# KiCad board ebit_ad.kicad_pcb (continued)
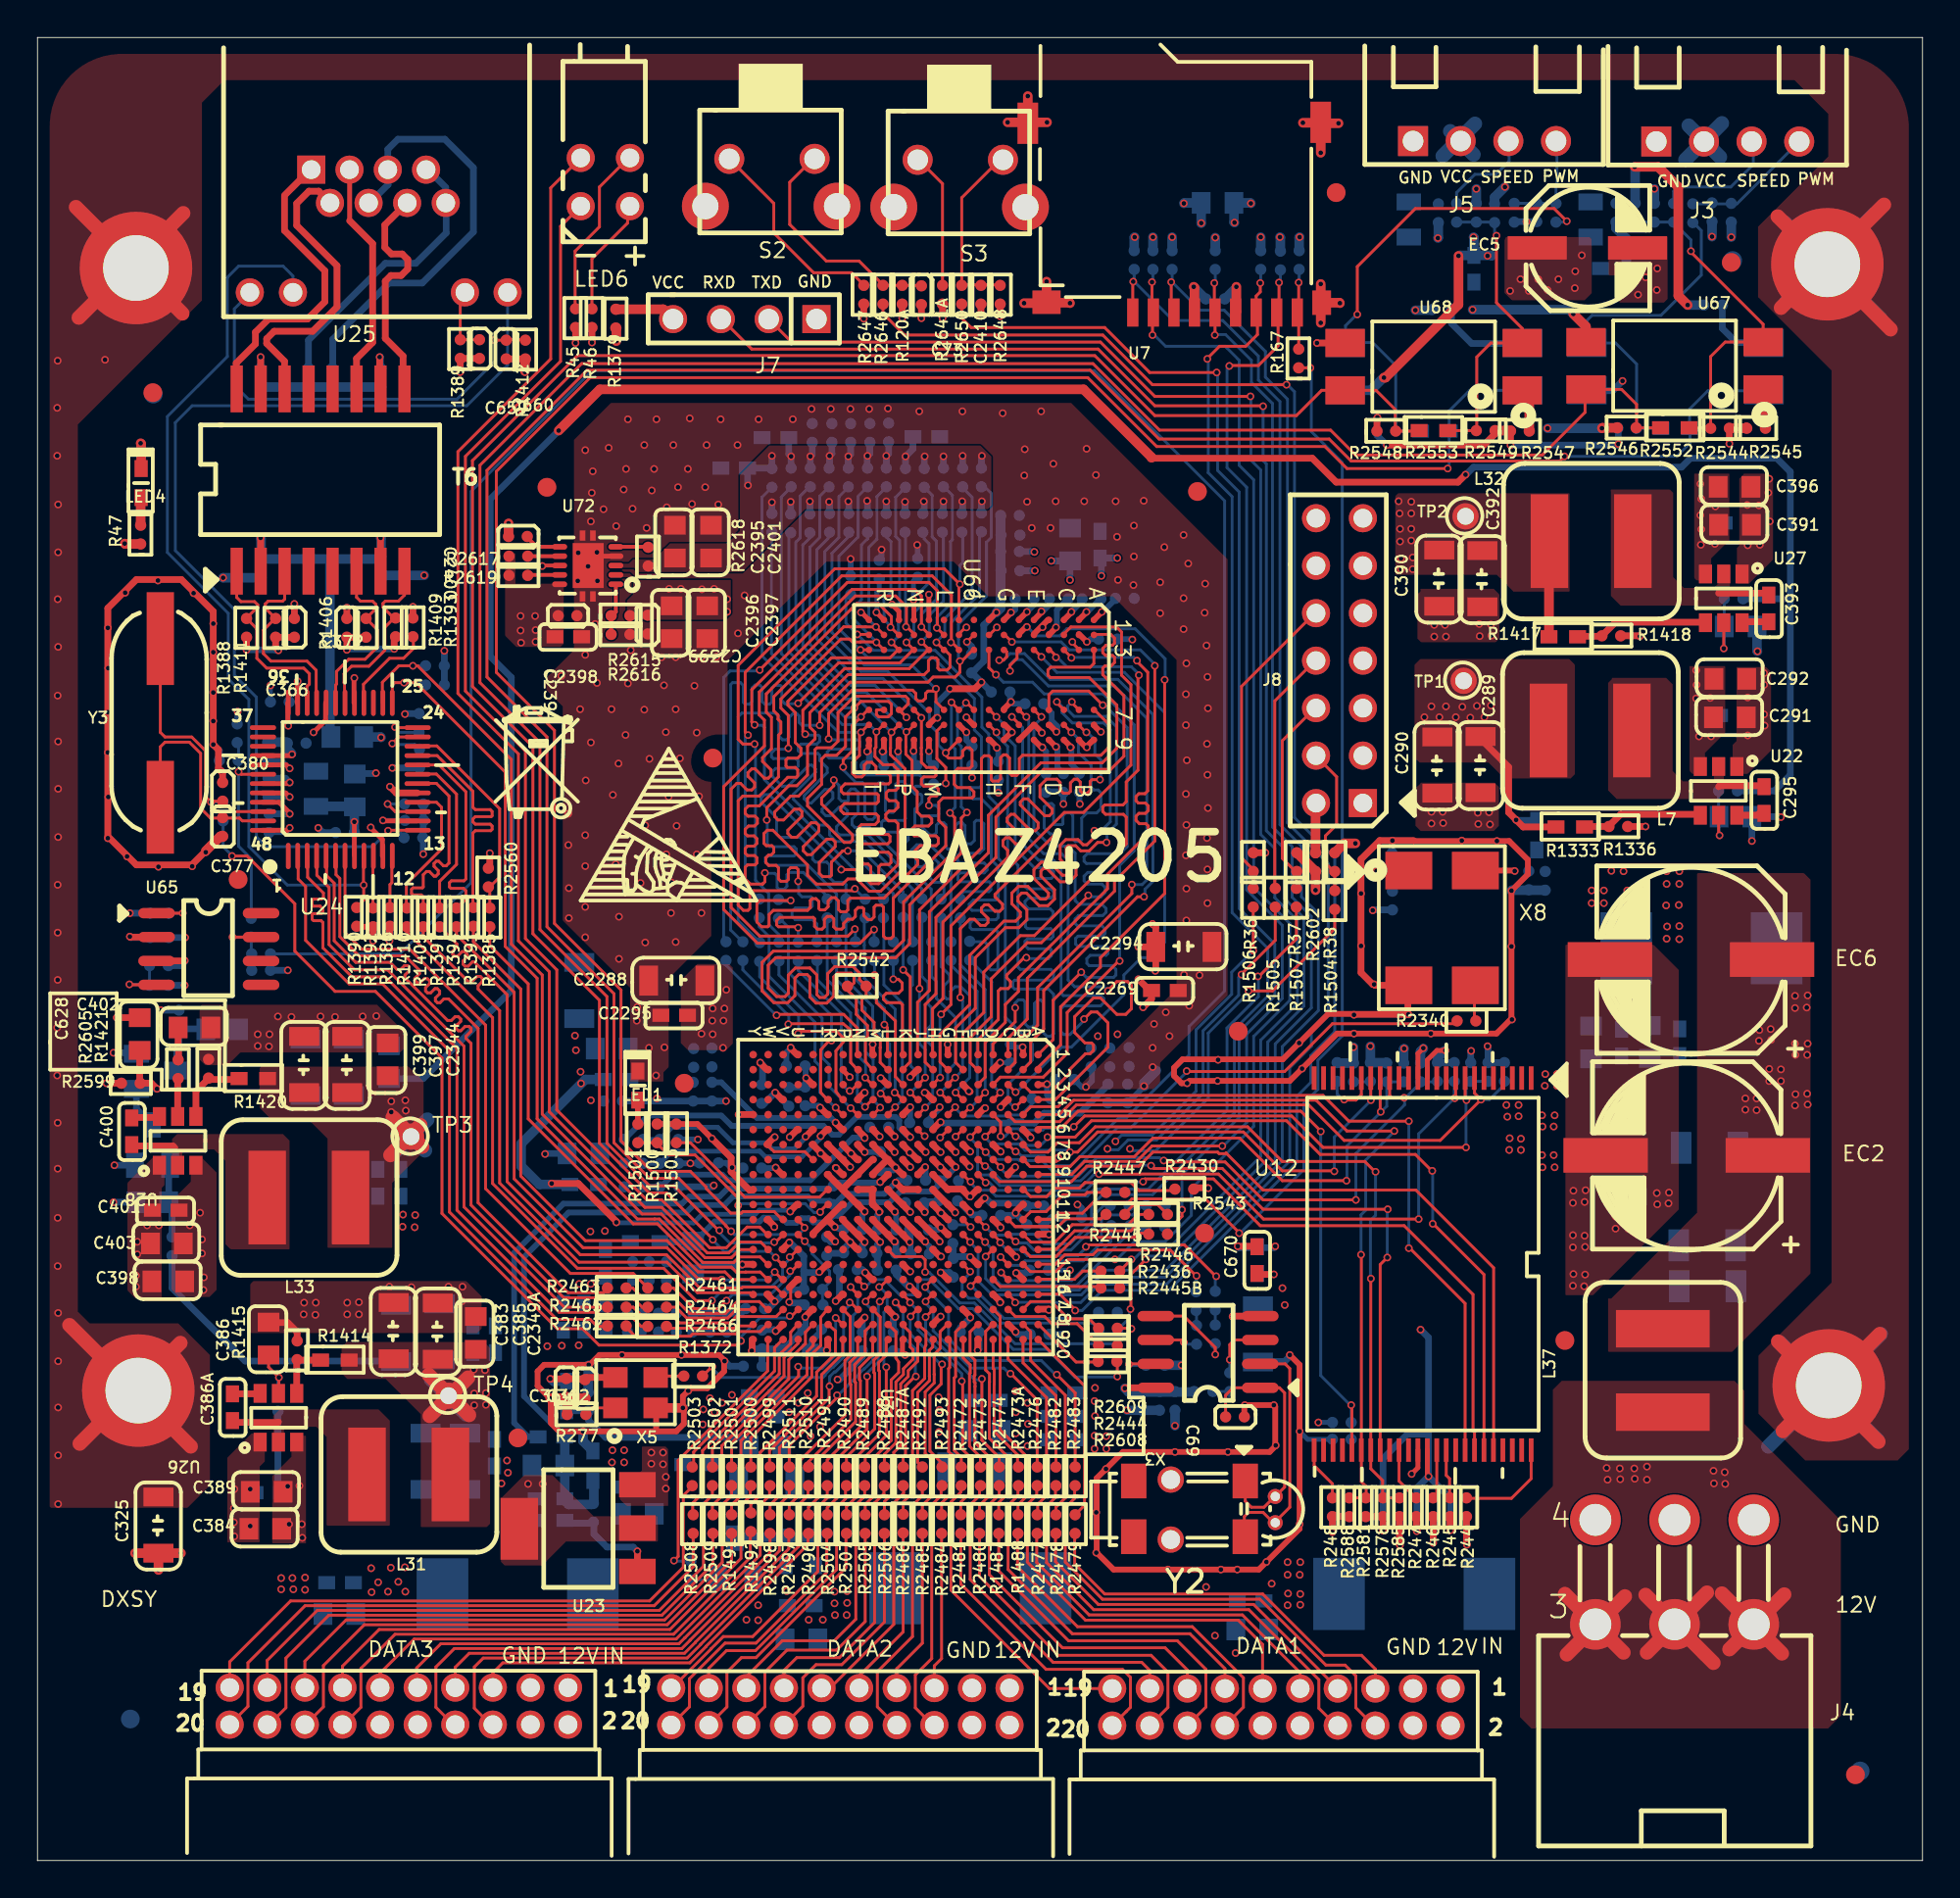
[diagram p0: board, top side]
## Routing (per net, layer and track width the routed paths; a pad name or vN(x,y) marks a point on that pad's centre or on a via; arc(x,y) is an arc through that point) (continued)
  Bottom Layer w0.152: R2641.1 49.35,73.25 49.85,72.75 49.85,67.73 48.4,66.28 48.4,65.48 47.98,65.05 ; R2534.2 42.63,51.58 41.1,53.1 39.03,53.1 38.83,53.3 38.83,53.5 38.93,53.6 40.35,53.6 40.48,53.73 40.48,53.98 40.35,54.1 39.05,54.1 38.93,54.23 38.93,55.45
IN: length 6
  Top Layer w0.356: v1(3.68,41.48) R2599.1
  Bottom Layer w0.356: 12.93,19.8 12.83,19.9 R1413.1 ; v1(6.58,45.38) R2800.1
  vias: v1(8.12,33.89) v1(8.67,34.57) v1(8.77,33.14) v1(8.77,32.39) v1(8.85,30.44) v1(8.87,31.12) v1(13.35,19.97) v1(13.42,17.95) v1(13.97,20) v1(14.1,17.95) v1(14.12,17.22) v1(17.8,15.6) v1(17.82,14.32) v1(18.17,14.85) v1(18.7,14.35) v1(18.85,15.62) v1(19.25,14.87) v1(19.6,15.65) v1(19.62,14.35) v1(41.14,12.85) v1(41.89,12.85) v1(42.52,14.35) v1(42.52,13.72) v1(42.54,13.1) v1(43.19,14.37) v1(43.19,13.75) v1(43.17,13.1) v1(65.83,14.77) v1(66.68,15.92) v1(66.68,15.25) v1(66.71,14.25) v1(66.68,13.62) v1(67.33,15.25) v1(67.36,15.92) v1(67.36,14.22) v1(67.36,13.65) v1(82.91,51.76) v1(82.91,51.09) v1(83.56,51.76) v1(83.56,51.09) v1(83.96,52.81) v1(84.61,52.79) v1(84.8,51.76) v1(84.83,51.11) v1(85.5,51.14) v1(85.55,51.76) v1(86.9,52.79) v1(86.9,52.11) v1(86.88,50.96) v1(86.93,49.84) v1(86.9,49.19) v1(87.58,52.79) v1(87.58,52.11) v1(87.55,50.99) v1(87.58,49.86) v1(87.58,49.16) v1(88.48,63.51) v1(88.5,62.74) v1(88.48,62.01) v1(88.63,59.99) v1(88.7,73.46) v1(88.75,72.66) v1(88.7,71.78) v1(88.75,71.03) v1(88.73,70.21) v1(89.23,62.04) v1(89.28,59.99) v1(89.5,72.26) v1(89.48,70.26)
LED3_0: length 57
  Top Layer w0.152: 20.25,54.98 18.73,54.98 v1(18.7,54.95)
  Bottom Layer w0.152: 19.65,54.55 19.25,54.95 v1(18.7,54.95) ; 18.65,54.88 17.88,54.1 12.2,54.1 11.68,54.63 11.68,62.08 10.5,63.25 10.5,66.75 7.35,69.9 7.35,76.73 8.25,77.63 22.9,77.63 25.08,79.8 U25.9
LED.0_0: length 48.3
  Top Layer w0.152: 17.39,53.6 17.39,52.07 v1(17.4,52.05) 17.4,51.25 17,50.85
  Bottom Layer w0.152: 17.43,52.05 13.33,52.05 11.28,54.1 11.28,61.95 10.18,63.05 10.18,66.55 6.93,69.8 6.93,77.05 10.13,80.25 10.13,84.48 10.73,85.08 13.1,85.08 13.63,84.55 U25.11
MDC_0: length 45.1
  Top Layer w0.152: 38.88,31.88 38.55,32.21 37.43,32.21 37.14,31.92 35.49,31.92 33.17,34.23 32.92,34.23 32.92,34.23 32,34.23 26.65,39.58 26.65,47.08 24.95,48.78 24.95,58.08 20.18,62.85 v1(19.55,62.85) 19.05,62.85 18.93,62.73 U24.25
  Bottom Layer w0.152: 19.5,62.83 20.6,62.83 R2470.2
NetC69_1: length 13
  Top Layer w0.152: 65.48,25.23 66.25,25.23 66.53,24.95 66.53,19.93 Y2.8 ; 63.38,23.73 63.38,24.83 63.78,25.23 X3.1 ; Y2.1 64.43,19.18 64.75,18.85 65.43,18.85 65.93,19.35 66,19.35
NetC327_1: length 1.2
  Top Layer w0.356: v1(47.35,37) 46.96,36.61 46.95,36.61
  Bottom Layer w0.305: C327.1 47.38,36.88 47.33,36.93
NetC2300_2: length 15.2
  Top Layer w0.305: 47.55,60.58 47.55,60.63 47.93,61 ; 50.75,66.2 v1(51.15,66.6)
  Top Layer w0.356: v1(50.35,62.88) 50,62.53 v1(48.68,62.53)
  Bottom Layer w0.305: 48.7,62.5 47.98,61.78 47.98,61 v1(48,60.98)
  Bottom Layer w0.356: C2300.2 49.85,63.38 50.48,64 50.48,65.93 v1(51.15,66.6)
  Bottom Layer w0.508: 51.4,71.7 51.38,71.68 51.38,66.83 v1(51.15,66.6)
NetDATA1_6: length 25.4
  Top Layer w0.152: 55.33,19.93 55.33,19.33 54.83,18.83 54.83,15.93 56.81,13.94 65.21,13.94 68.73,10.43 69.75,10.43 70.33,9.85 70.33,8.15 71.28,7.2 DATA1.6
NetDATA1_8: length 24.2
  Top Layer w0.152: 54.3,19.9 54.3,19.38 53.83,18.9 53.83,15.9 56.34,13.39 64.62,13.39 68.35,9.65 68.35,8.13 69.28,7.2 DATA1.8
NetDATA1_14: length 19.2
  Top Layer w0.152: 52.28,17.4 52.28,15.68 55.48,12.48 61.6,12.48 64.33,9.75 64.33,8.19 DATA1.14
NetDATA1_16: length 18.6
  Top Layer w0.152: R1487.1 51.28,15.45 55,11.73 60.8,11.73 62.33,10.2 62.33,8.19 DATA1.16
NetDATA1_18: length 17.6
  Top Layer w0.152: DATA1.18 60.3,8.17 60.3,10.05 59.4,10.95 54.45,10.95 50.25,15.15 50.25,17.38
NetDATA1_20: length 16.7
  Top Layer w0.152: 49.25,17.33 49.25,14.75 53.8,10.2 57.88,10.2 58.3,9.78 58.3,8.18 58.08,7.95 DATA1.20
NetDATA2_6: length 13.7
  Top Layer w0.152: 48.2,19.9 48.2,19.48 47.7,18.98 47.7,10.78 46.83,9.9 46.83,8.15 47.75,7.23 DATA2.6
NetDATA2_8: length 14.1
  Top Layer w0.152: DATA2.8 45.78,7.23 44.8,8.2 44.8,10.08 46.68,11.95 46.68,18.95 47.2,19.48 47.2,19.85
NetDATA2_14: length 13.2
  Top Layer w0.152: 45.23,17.43 45.18,17.38 45.18,12.73 42.9,10.45 41.53,10.45 40.83,9.75 40.83,8.24 DATA2.14
NetDATA2_16: length 14.4
  Top Layer w0.152: DATA2.16 38.8,8.22 38.8,10.05 39.98,11.23 42.63,11.23 44.15,12.75 44.15,17.4 44.13,17.43
NetDATA2_18: length 13.6
  Top Layer w0.152: 43.13,17.35 43.13,15.63 38.33,10.83 37.55,10.83 36.78,10.05 36.78,8.2 DATA2.18
NetDATA2_20: length 14.6
  Top Layer w0.152: 42.1,17.4 42.1,15.38 38.33,11.6 36.68,11.6 34.78,9.7 34.78,8.2 DATA2.20
NetDATA3_6: length 27
  Top Layer w0.152: DATA3.6 24.18,7.25 23.3,8.13 23.3,10.33 23.78,10.8 34.65,10.8 35.37,11.52 35.37,11.53 40.6,16.76 40.6,18.98 41.1,19.48 41.1,20
NetDATA3_8: length 28.2
  Top Layer w0.152: DATA3.8 22.18,7.25 21.25,8.18 21.25,10.33 22.24,11.31 34.37,11.31 34.82,11.75 34.82,11.77 39.58,16.53 39.58,19 40.1,19.53 R2511.1
NetDATA3_14: length 28
  Top Layer w0.152: 38.03,17.48 38.03,16.17 33.93,12.07 19.07,12.07 17.25,10.25 17.25,8.18 16.33,7.25 DATA3.14
NetDATA3_16: length 29
  Top Layer w0.152: 37.03,17.38 37.03,16.02 33.59,12.58 17.43,12.58 15.25,10.4 15.25,8.2 14.3,7.25 DATA3.16
NetDATA3_18: length 30.4
  Top Layer w0.152: 36.03,17.38 36.03,15.81 33.31,13.09 15.54,13.09 13.25,10.8 13.25,8.15 12.35,7.25 DATA3.18
NetDATA3_20: length 31.2
  Top Layer w0.152: 10.38,7.38 11.23,8.23 11.23,10.55 14.27,13.6 32.9,13.6 34.98,15.68 R2508.1
NetJ3_2: length 5.1
  Bottom Layer w0.762: 87.9,90.75 89.85,92.7 ; 88.08,92.58 89.75,90.9
NetJ3_3: length 6.4
  Bottom Layer w0.152: 91.53,91.45 91.53,90.5 90.33,89.3 87.5,89.3 87.28,89.08 R1345.2
NetJ3_4: length 6.9
  Bottom Layer w0.152: 93.93,91.55 93.8,91.55 90.65,88.4 R1346.2
NetJ5_2: length 4.2
  Bottom Layer w0.762: 75.36,92.28 76.61,91.03 ; 74.96,90.95 76.68,92.68
NetJ5_3: length 4.8
  Bottom Layer w0.152: R1362.2 75.7,89 76.68,89.98 77.8,89.98 78.5,90.68 78.5,91.4
NetJ5_4: length 5.2
  Bottom Layer w0.152: 81.1,91.5 81.05,91.45 81.05,89.45 81,89.4 R1363.2 ; 80.88,88.45 80.85,88.43 C333.2
NetJ7_4: length 3.2
  Top Layer w0.508: J7.4 33.38,82.78 30.95,82.78 30.93,82.75
NetL37_1: length 27.1
  Top Layer w0.762: 85.85,11.1 89.05,14.3 ; 90.25,11.27 93.18,14.2 ; 81.58,11 84.68,14.1 ; 81.48,14.22 84.61,11.1 ; 89.85,14.25 93.05,11.05 ; 85.78,14.17 89.4,10.55
  vias: v1(83.71,20.95) v1(83.76,20.32) v1(84.41,20.92) v1(84.43,20.35) v1(85.18,20.92) v1(85.2,20.37) v1(85.85,21.02) v1(85.85,20.32) v1(89.4,20.8) v1(89.43,20.12) v1(90,20.72) v1(90.03,20.1)
NetLED1_1: length 1.3
  Top Layer w0.305: 32,39.3 32.03,39.33 LED1.1
NetLED4_1: length 1.4
  Top Layer w0.508: R47.2 5.5,72.65
NetLED6_1: length 6.1
  Top Layer w0.152: 31.48,88.08 31.48,87.38 29.58,85.48 R46.2
NetLED6_2: length 9.4
  Top Layer w0.152: LED6.2 31.53,90.85 29.98,89.3 29.98,87.18 28.68,85.88 28.68,82.75 28.7,82.73
NetR37_2: length 10.4
  Top Layer w0.152: 68.05,61.23 67.88,61.23 66.4,59.75 66.4,53.48 67.15,52.73 R37.2
NetR117_1: length 0.8
  Bottom Layer w0.152: 63.5,24.98 63.45,25.03 R2440.1
NetR117_2: length 3.3
  Top Layer w0.152: X3.3 63.85,27.78 63.6,27.53 v1(63.6,26.73)
  Bottom Layer w0.152: R117.2 63.6,26.75
NetR120_2: length 0.8
  Bottom Layer w0.152: 61.78,29.38 61.83,29.33 R120.2
NetR122_2: length 0.8
  Bottom Layer w0.152: R122.2 R2439.1
NetR1345_1: length 17.8
  Top Layer w0.152: 91.53,81.03 90.03,81.03 89.25,80.25 R2544.1 ; v1(88.2,85.88) 88.2,85.83 92.05,81.98 U67.2 ; R2552.2 89.15,76.45
  Bottom Layer w0.152: 88.2,85.95 88.2,86.48 87.25,87.43 R1344.1
NetR1346_1: length 18.7
  Bottom Layer w0.152: 86.48,76.4 86.45,76.43 R2350.2 85.3,79.85 84.18,80.98 82.88,80.98 ; U69.4 82.65,82.18 82.93,82.45 86.6,82.45 88.75,84.6 88.75,86.98 88.35,87.38
NetR1360_1: length 3.1
  Top Layer w0.152: U12.19 70.62,40.87 70.33,40.58 69.73,40.58 v1(69.7,40.6)
  Bottom Layer w0.152: R1360.1 69.33,40.9 69.65,40.58
NetR1362_1: length 17.2
  Top Layer w0.152: 76.78,76.33 76.78,80.23 77.53,80.98 U68.2 79.2,81.75 77.83,83.13 v1(77.83,86.7) ; R2553.2 R2549.1
  Bottom Layer w0.152: R1362.1 77.68,87.43 77.7,87.45 ; 77.78,86.7 77.73,86.75 R1365.1
NetR1363_1: length 25.3
  Top Layer w0.152: v1(81.58,87.48) 80.9,88.15 73.5,88.15 70.4,85.05 v1(70.4,82.5)
  Bottom Layer w0.152: 69.98,81 71.23,81 72.45,79.78 R2556.2 ; R1363.1 81.5,87.43 81.53,87.45 ; 72.5,76.3 72.53,76.28 R2557.2 ; 70.38,82.45 70.33,82.45 69.78,81.9 U70.4
NetR1372_1: length 1.2
  Top Layer w0.152: 33.28,25.85 R1372.1
NetR1372_2: length 12
  Top Layer w0.152: R1372.2 35.98,26.35 v1(36,26.35) ; 43.38,29.78 43.73,29.42
  Bottom Layer w0.152: v1(36,26.35) 36,26.25 36.48,25.78 41.9,25.78 42.02,25.89 42.02,25.94 42.4,26.33 42.45,26.33 43,26.88 43,29.33 43.35,29.68
  vias: v1(43.33,29.78)
NetR1373_2: length 3.7
  Bottom Layer w0.356: 7,35.18 7.18,35 R1373.2 ; 7.1,36.78 7,36.68 C625.1
NetR1384_2: length 2.3
  Top Layer w0.356: v1(18.25,80.23) 18.25,78.57 T6.10
  Bottom Layer w0.356: R1384.2 18.3,80.23
NetR1385_2: length 10.9
  Top Layer w0.152: 24.18,50.88 24.13,50.93 24.13,51.95 24.65,52.48 24.65,56.13 21.3,59.48 20.6,59.48
NetR1388_1: length 4
  Top Layer w0.356: C366.1 12.78,65.28 12.75,65.3 ; R1411.1 12.7,64.73 v1(12.85,64.58) ; v1(11.15,64.6) R1388.1
  Bottom Layer w0.356: 12.75,64.58 12.73,64.6 v1(11.15,64.6)
NetR1393_1: length 5
  Top Layer w0.152: 17.39,61.78 17.39,62.76 18.78,64.15 19.53,64.15 20.05,64.68 20.05,65.28
NetR1400_2: length 2.2
  Top Layer w0.356: T6.15 11.91,80.2
  Bottom Layer w0.356: R1400.2 11.9,80.2
  vias: v1(11.9,80.23)
NetR1404_1: length 6.4
  Bottom Layer w0.508: R1400.1 18.28,78.63
NetR1406_1: length 4.9
  Top Layer w0.356: v1(19.03,64.65) 19.03,65.3 ; 16.45,65.33 C372.1 ; C372.1 v1(16.5,64.6) ; C372.1 R1406.1
  Bottom Layer w0.356: 16.53,64.63 16.55,64.65 v1(19.03,64.65)
NetR1413_2: length 2.8
  Top Layer w0.152: C386.1 12.33,26.33 v1(12.88,25.78) 12.88,25.2 12.9,25.18
  Bottom Layer w0.152: 12.88,25.75 12.83,25.7 R1413.2
NetR1493_1: length 2.1
  Top Layer w0.356: v1(49.75,34.6) 49.75,34.62 49.36,35.02
  Bottom Layer w0.356: 50.3,34.45 49.85,34.45 49.1,35.2 R1493.1
NetR1500_1: length 12
  Top Layer w0.152: R1501.1 33,38.3 33.65,37.65 35.08,37.65 37.38,35.35 37.38,35 ; 41.78,34.63 41.78,34.67 42.12,35.02
  Bottom Layer w0.152: v1(37.38,34.95) 37.48,35.05 40.95,35.05 41.43,34.58 41.73,34.58
  vias: v1(41.75,34.6)
NetR1502_1: length 1.2
  Top Layer w0.356: v1(45.73,38.63) 45.72,38.63 45.34,39.01
  Bottom Layer w0.305: R1502.1 45.4,38.95 45.75,38.6
NetR1503_1: length 9.3
  Top Layer w0.152: 42.08,35.75 41.73,35.4 37.73,35.4 34.83,38.3 R1503.1
NetR1504_2: length 7.8
  Top Layer w0.152: 68.43,58.7 69.3,57.83 69.3,55.28 68.7,54.68 68.7,53.23 69.2,52.73 R1504.2
NetR1505_2: length 13
  Top Layer w0.152: 68.15,64 68.13,64 66,61.88 66,51.95 66.03,51.93
NetR1506_2: length 16.2
  Top Layer w0.152: R1506.2 64.85,52.88 64.23,53.5 64.23,62.65 67.8,66.23 67.93,66.23
NetR1949_2: length 3.5
  Top Layer w0.152: v1(4.9,46.75) 4.93,46.73 U65.4
  Bottom Layer w0.152: R1948.2 5.98,47.68 ; 5.98,46.73 5.95,46.75 v1(4.9,46.75)
NetR2336_1: length 2.1
  Top Layer w0.152: U65.1 v1(7.75,50.55)
  Bottom Layer w0.152: R2336.1 7.65,50.55 7.68,50.58
NetR2340_2: length 1.9
  Top Layer w0.152: X8.3 76.65,46.65 76.65,44.85 76.68,44.83
NetR2389_1: length 3.4
  Top Layer w0.356: v1(71.43,52.8) 71.45,52.83 X8.1
  Bottom Layer w0.356: 72.2,52.75 71.48,52.75 v1(71.43,52.8) ; 72.3,51.88 72.25,51.93 R2389.1
NetR2430_1: length 8.8
  Top Layer w0.152: 60.68,35.9 60.53,35.75 58.75,35.75 58.33,36.18 55.88,36.18 55.58,35.88 54.28,35.88 53.83,35.43 52.98,35.43 52.59,35.81 52.57,35.81
NetR2433_1: length 3.5
  Top Layer w0.356: 50.46,35.31 50.46,35.31 50.16,35.02
  Bottom Layer w0.356: 53.53,34.95 52.78,34.95 52.65,35.08 50.85,35.08 50.58,35.35
  vias: v1(50.53,35.35)
NetR2455_1: length 4.1
  Top Layer w0.152: 48.35,60.58 48.28,60.58 47.98,60.28 47.98,58.8 48.45,58.33 v1(48.45,57.48)
  Bottom Layer w0.152: R2455.1 48.4,57.43
NetR2461_2: length 8.4
  Top Layer w0.152: R2461.2 33.93,30.55 35.03,29.45 36.33,29.45 v1(36.75,29.88) ; 40.18,31.4 40.51,31.74 40.51,31.82
  Bottom Layer w0.152: v1(36.75,29.88) 37.08,30.2 39.1,30.2 40.13,31.23 40.13,31.35
  vias: v1(40.15,31.45)
NetR2462_2: length 8
  Top Layer w0.152: R2462.2 31.4,28.45 31.88,27.98 34.83,27.98 34.95,28.1 37.25,28.1 37.38,28.23 38.55,28.23 38.88,28.55
NetR2463_2: length 8.4
  Top Layer w0.152: R2463.2 31.75,30.55 32.25,30.05 33.93,30.05 34.78,29.2 36.7,29.2 37.33,29.83 38.5,29.83 38.85,29.48
NetR2464_2: length 5
  Top Layer w0.152: R2464.2 34.05,29.53 34.63,28.94 36.82,28.94 37.28,29.4 38.15,29.4
NetR2466_2: length 4.7
  Top Layer w0.152: 38.1,28.6 38.03,28.53 37.3,28.53 37.18,28.4 33.65,28.4 R2466.2
NetR2468_1: length 5.7
  Top Layer w0.356: U23.1 v1(32,16.5)
  Bottom Layer w0.356: 28.33,18 29.68,18 29.68,17.43 30.38,16.73 31.78,16.73 v1(32,16.5)
NetR2472_1: length 16.5
  Top Layer w0.152: 49.25,19.98 49.25,19.65 48.73,19.13 48.73,14.43 53.98,9.18 DATA1.19
NetR2473_1: length 17.6
  Top Layer w0.152: 50.25,19.83 50.25,19.48 49.75,18.98 49.75,15 54.18,10.58 58.9,10.58 59.33,10.15 DATA1.17
NetR2473A_1: length 19.5
  Top Layer w0.152: DATA1.13 63.34,10.24 61.48,12.1 55.2,12.1 51.78,15.53 51.78,18.95 52.3,19.48 52.3,19.98
NetR2474_1: length 18.6
  Top Layer w0.152: DATA1.15 61.34,10.17 60.15,11.35 54.68,11.35 50.78,15.25 50.78,19 51.3,19.53 R2474.1
NetR2476_1: length 20.9
  Top Layer w0.152: DATA1.11 65.35,11.53 64.05,12.83 55.9,12.83 52.8,15.93 52.8,19 53.3,19.5 53.3,19.9
NetR2477_1: length 18.8
  Top Layer w0.152: DATA1.9 67.35,10.02 64.27,13.11 56.1,13.11 53.3,15.9 53.3,17.38
NetR2478_1: length 19.3
  Top Layer w0.152: DATA1.7 64.87,13.67 56.59,13.67 54.3,15.95 54.3,17.38
NetR2479_1: length 21
  Top Layer w0.152: DATA1.5 71.37,10.21 70.63,10.95 68.63,10.95 65.36,14.22 56.93,14.22 55.33,15.83 55.33,17.38 55.35,17.4
NetR2484_1: length 8.3
  Top Layer w0.152: 48.25,17.38 48.23,17.35 48.23,10.78 47.84,10.39 DATA2.5
NetR2485_1: length 8.9
  Top Layer w0.152: 47.2,17.5 47.2,11.6 45.84,10.24 DATA2.7
NetR2486_1: length 9.2
  Top Layer w0.152: 46.2,17.38 46.18,17.35 46.18,12.2 43.83,9.85 DATA2.9
NetR2487A_1: length 12.8
  Top Layer w0.152: 46.2,19.93 46.2,19.6 45.68,19.08 45.68,12.6 42.28,9.2 DATA2.11
NetR2488_1: length 14.3
  Top Layer w0.152: 45.15,19.93 45.15,19.58 44.65,19.08 44.65,12.7 42.78,10.83 40.5,10.83 39.82,10.14 DATA2.13
NetR2489_1: length 14.9
  Top Layer w0.152: 44.13,19.9 44.13,19.45 43.65,18.98 43.65,12.88 42.5,11.73 39.73,11.73 37.81,9.81 DATA2.15
NetR2490_1: length 14.8
  Top Layer w0.152: DATA2.17 35.81,10.26 36.75,11.2 38.3,11.2 42.63,15.53 42.63,18.83 43.1,19.3 43.1,20.03
NetR2491_1: length 15.1
  Top Layer w0.152: DATA2.19 33.84,9.2 35.93,11.29 35.93,11.3 36.58,11.95 38.15,11.95 41.63,15.43 41.63,18.85 42.13,19.35 42.13,19.88
NetR2496_1: length 21.1
  Top Layer w0.152: 41.1,17.48 41.1,16.87 35.65,11.42 35.65,11.41 34.8,10.55 24.83,10.55 24.29,10.02 DATA3.5
NetR2497_1: length 22.2
  Top Layer w0.152: 40.08,17.35 40.08,16.63 35.09,11.65 35.09,11.64 34.51,11.06 23.03,11.06 22.29,10.31 DATA3.7
NetR2498_1: length 23.5
  Top Layer w0.152: 34.54,11.89 39.08,16.43 R2498.1 ; 34.54,11.89 34.22,11.57 21.52,11.57 20.23,10.28 20.23,9.28 DATA3.9 ; 34.54,11.89 34.54,11.87
NetR2499_1: length 27.4
  Top Layer w0.152: 39.05,19.88 39.05,19.48 38.55,18.98 38.55,16.3 34.07,11.82 20.1,11.82 18.27,10 DATA3.11
NetR2500_1: length 28.7
  Top Layer w0.152: DATA3.13 16.27,10.37 18.23,12.33 33.73,12.33 37.53,16.12 37.53,18.95 38.03,19.45 38.03,19.88
NetR2501_1: length 30.1
  Top Layer w0.152: DATA3.15 14.26,10.64 16.46,12.84 33.45,12.84 36.53,15.91 36.53,18.98 37.03,19.48 37.03,19.95
NetR2502_1: length 30.7
  Top Layer w0.152: 12.25,9.83 12.25,10.68 14.92,13.34 33.17,13.34 35.53,15.7 35.53,19.03 36,19.5 R2502.1
NetR2503_1: length 32.1
  Top Layer w0.152: 34.88,19.9 34.45,19.48 34.45,15.65 32.65,13.85 13.5,13.85 10.25,10.6 DATA3.19
NetR2540_1: length 4.8
  Top Layer w0.152: 40.98,33 40.56,33.42 40.51,33.42
  Bottom Layer w0.152: 40.98,33 41,32.98 ; 41,32.98 41.31,32.66 41.31,32.39 41.9,31.8 42.25,31.45 42.25,30.85 R2540.1 ; 41,32.98 41,33.03 ; 41.88,29.6 41.88,30.43 41.9,30.45
  vias: v1(40.93,33.05)
NetR2543_2: length 2.7
  Top Layer w0.152: R2543.2 59.75,35 58.48,35 58,34.53 R2445.2
NetR2545_2: length 1.8
  Top Layer w0.508: R2545.2 92.18,78.05 92.33,78.2
NetR2547_2: length 1.7
  Top Layer w0.508: R2547.2 79.58,77.93 79.55,77.95
NetR2602_2: length 2.7
  Top Layer w0.508: 68.18,53.73 68.18,56.4 J8.2
NetR2605_1: length 2.1
  Top Layer w0.356: U28.5 7.48,41.75
NetR2615_1: length 2.8
  Top Layer w0.203: R2616.1 30.6,66.38 30.85,66.63 U72.1
NetR2618_2: length 1.8
  Top Layer w0.203: 30.83,70.1 32.58,70.1
NetR2800_2: length 5.3
  Top Layer w0.356: C402.1 7.5,43.38 v1(7.53,43.35) 7.53,42.73 7.48,42.68
  Bottom Layer w0.356: 8.8,44.35 8.78,44.38 R2800.2 ; 7.5,44.43 7.53,44.4 v1(7.53,43.35) ; U21.3 7.43,43.2 7.53,43.3
NetS2_3: length 12.5
  Top Layer w0.152: 45.05,84.13 43.83,85.35 42.08,85.35 40.13,87.3 40.13,89.55 41.38,90.8 S2.3 ; 45.05,84.05 47.23,84.05
NetS2_4: length 10.8
  Top Layer w0.152: 44.03,84.13 43.43,84.73 41.4,84.73 39.28,86.85 39.28,88.43 S2.4
NetS3_3: length 9.3
  Top Layer w0.152: 51.33,84.05 51.3,84.08 49.3,84.08 49.28,84.1 ; 51.08,90.5 49.3,88.73 R2650.2
NetS3_4: length 7.2
  Top Layer w0.152: S3.4 47,90.75 48.28,89.48 48.28,84.23 48.23,84.18
NetT6_1: length 10.4
  Top Layer w0.152: R1388.2 11.7,65.73 11.7,64.15 12.23,63.63 14.2,63.63 14.5,63.33 14.5,62.78 14.38,62.65 14.38,62.18 ; T6.1 10.63,67.4 10.85,67.18 11.58,67.18 11.75,67 11.75,66.9 11.1,66.25
NetT6_3: length 10.5
  Top Layer w0.152: 12.65,66.33 12.15,66.83 12.15,67.05 12.3,67.2 13.08,67.2 13.18,67.31 T6.3 ; 14.87,61.78 14.87,63.51 14.38,64 12.45,64 12.05,64.4 12.05,65.65 12.63,66.23
NetT6_6: length 9.3
  Top Layer w0.152: 17.63,66.38 18.05,66.8 18.05,67.03 17.88,67.2 17.23,67.2 17.02,67.41 T6.6 ; 15.9,62.1 15.9,62.73 15.95,62.78 15.95,63.45 16.6,64.1 17.48,64.1 18.15,64.78 18.15,65.65 R1406.2
NetT6_8: length 9.7
  Top Layer w0.152: 18.95,66.35 18.43,66.88 18.43,67.08 18.55,67.2 19.25,67.2 19.58,67.53 T6.8 ; 19.03,66.3 18.53,65.8 18.53,64.58 17.68,63.73 16.75,63.73 16.35,63.33 16.35,62.85 16.38,62.82 16.38,61.78
NetU7_9: length 4.3
  Top Layer w0.152: U7.9 67.28,82.68 v1(67.28,84.2) ; 67.25,82.6 67.28,82.58 R167.2
  Bottom Layer w0.152: 67.33,84.23 67.3,84.25 R166.1
NetU12_25: length 2.9
  Top Layer w0.152: 69.08,19.4 69.08,20.1 68.1,21.08 U12.25
NetU12_34: length 3
  Top Layer w0.152: 73.58,19.33 73.55,19.33 72.63,20.25 U12.34
NetU12_38: length 2.6
  Top Layer w0.152: 74.53,19.38 74.64,19.49 U12.38
NetU12_39: length 2.7
  Top Layer w0.152: 75.33,19.3 75.33,20.38 75.15,20.56 U12.39
NetU12_48: length 5.4
  Top Layer w0.152: 76.23,19.33 78.63,19.33 79.68,20.38 U12.48
NetU20_3: length 6.1
  Top Layer w0.356: v1(6.38,41.18) 6.08,41.48 R2599.2 5.45,41.5 C628.1
  Bottom Layer w0.356: v1(6.38,41.18) U21.1 5.28,40.1 5.9,39.48 6.18,39.48
NetU22_2: length 2.5
  Top Layer w0.356: 89.68,57.3 89.73,57.35 92.05,57.35 C295.2
NetU22_4: length 6.4
  Top Layer w0.356: R1333.2 82.55,55.18 83.8,55.18 84.45,55.83 88.65,55.83 88.68,55.8
NetU22_5: length 3.3
  Top Layer w0.152: v1(89.73,54.7) 89.68,54.75 U22.5
  Bottom Layer w0.152: 89.73,56 89.68,56.05 R2603.1 ; 89.7,54.63 C294.2
NetU22_6: length 1.4
  Top Layer w0.356: 91.85,55.88 91.75,55.78 90.6,55.78 ; C295.1 92.08,55.9 92.08,55.93
NetU24_10: length 2.8
  Top Layer w0.152: 17.89,53.6 17.89,50.84 R1392.2
NetU24_12: length 2.8
  Top Layer w0.152: 18.83,50.88 18.8,50.9 18.8,52.08 18.9,52.18 18.9,53.6
NetU24_15: length 2.6
  Top Layer w0.152: v1(18.68,56.38) 19.08,55.97 20.25,55.97
  Bottom Layer w0.152: v1(18.68,56.38) R1381.2
NetU24_16: length 7.5
  Top Layer w0.152: 19.68,50.85 19.68,52.1 21.55,53.98 21.55,56.2 21.28,56.47 20.25,56.47
NetU24_18: length 10.7
  Top Layer w0.152: 20.6,57.48 21.28,57.48 21.95,56.8 21.95,53.23 21.8,53.08 21.65,53.08 21.4,53.33 21.28,53.33 21.15,53.2 21.15,53.05 21.38,52.83 21.38,52.65 21.25,52.53 21.15,52.53 20.9,52.78 20.75,52.78 20.58,52.6 20.58,51.95 20.53,51.9 20.03,51.9 19.95,51.83 19.95,51.6 20.03,51.53 20.48,51.53 20.58,51.43 R1405.2
NetU24_19: length 8.7
  Top Layer w0.152: 20.53,57.98 21.28,57.98 22.35,56.9 22.35,53.15 21.45,52.25 R1397.2
NetU24_20: length 11.1
  Top Layer w0.152: 22.4,50.85 22.85,51.3 22.85,51.75 22.73,51.88 22.05,51.88 21.98,51.95 21.98,52.18 22.08,52.28 22.75,52.28 22.85,52.38 22.85,57.03 21.42,58.46 20.25,58.46
NetU24_21: length 13.6
  Top Layer w0.152: 20.25,58.96 21.32,58.96 23.23,57.05 23.23,56.2 23.35,56.08 24.15,56.08 24.25,55.98 24.25,55.75 24.2,55.7 23.35,55.7 23.23,55.58 23.23,55.43 23.35,55.3 24.15,55.3 24.25,55.2 24.25,55.03 24.18,54.95 23.35,54.95 23.23,54.83 23.23,50.88 R1391.2
NetU24_23: length 3
  Top Layer w0.152: v1(18.93,59.6) 19.28,59.95 20.25,59.95
  Bottom Layer w0.152: R1408.2 20.13,59.55 18.98,59.55
NetU24_24: length 2.6
  Top Layer w0.152: v1(19.08,60.48) 19.1,60.45 20.25,60.45
  Bottom Layer w0.152: R1396.1 19.3,60.2 19.05,60.45
NetU24_46: length 13
  Top Layer w0.152: 6.35,64 6.55,63.8 6.55,60.2 6.8,59.95 8.23,59.95 8.98,59.2 8.98,56.75 v1(9.25,56.48) 9.3,56.53 C380.1 ; 12,55.97 10.46,55.97 9.95,56.48
  Bottom Layer w0.152: 9.33,56.48 R1485.2
NetU24_47: length 12
  Top Layer w0.152: 11.75,55.48 10.93,55.48 10.78,55.63 9.23,55.63 8.7,56.15 8.7,59.08 8.1,59.68 6.8,59.68 6.55,59.43 Y3.1
NetU25_1: length 16
  Top Layer w0.356: 13.18,88.85 13.18,86.98 15.33,84.83 15.33,83.18 14.4,82.25 12.33,82.25 11.63,81.55 11.63,80.93 10.6,79.9 10.6,78.93 ; 13.25,88.93 14.63,90.3 ; 14.55,90.23 14.63,90.23
NetU25_2: length 15.9
  Top Layer w0.356: 13.18,78.88 13.18,80 12.23,80.95 12.23,81.2 12.63,81.6 14.68,81.6 15.98,82.9 15.98,85.1 13.83,87.25 13.83,88.43 14.48,89.08 15,89.08 15.63,88.45
NetU25_3: length 12.2
  Top Layer w0.254: 16.75,89.8 16.65,89.7 16.65,87.5
  Top Layer w0.356: 16.65,87.5 17.88,86.28 17.88,81 17.02,80.14 T6.11
NetU25_4: length 23.3
  Bottom Layer w0.356: 15.75,79.63 15.75,81.18 18.75,84.18 20.53,84.18 23.25,86.9 23.25,90.33 21.73,91.85 19.23,91.85 18.69,91.31 U25.5 ; U25.4 17.73,88.45 18.7,89.43 18.7,89.9
NetU25_6: length 12.4
  Top Layer w0.356: 19.63,88.38 18.53,87.28 18.53,86.08 18.88,85.73 19.45,85.73 19.75,85.43 19.75,84.93 19.4,84.58 18.85,84.58 18.55,84.28 18.55,81.23 19.5,80.28 19.5,78.6 T6.9
NetU25_7: length 14.4
  Bottom Layer w0.356: R1407.2 14.45,81.13 18.55,85.23 20.18,85.23 21.8,86.85 21.8,88.15 ; 21.05,90 21.78,89.28 U25.8
NetU25_10: length 3.5
  Top Layer w0.152: 23.6,81.15 R1389.2 22.55,83.33 22.78,83.55
NetU25_12: length 23.1
  Top Layer w0.152: 24.95,81.1 25,81.15 25.93,81.15 ; v1(24.38,81.13) C660.2
  Bottom Layer w0.152: 24.4,81.13 24.4,80 22.38,77.98 11.25,77.98 10.5,78.73 10.5,82.8 11.33,83.63 U25.12
NetU26_2: length 2.5
  Top Layer w0.356: 12.85,23.4 12.83,23.38 10.5,23.38 C386A.1
NetU26_4: length 3.1
  Top Layer w0.356: U26.4 13.83,26.73 13.85,26.7 R1414.1
NetU26_6: length 1.5
  Top Layer w0.356: C386A.2 11.85,24.9 U26.6
NetU27_2: length 2.7
  Top Layer w0.356: C393.2 92.25,67.63 89.68,67.63
NetU27_4: length 7.3
  Top Layer w0.356: 89.08,66.1 89.05,66.08 84.18,66.08 83.43,65.33 82.18,65.33 R1417.2
NetU27_5: length 4.2
  Top Layer w0.152: v1(89.95,64.68) U27.5
  Bottom Layer w0.152: 89.98,67.43 C395.2 89.98,64.68 90,64.65
NetU27_6: length 1.4
  Top Layer w0.356: C393.1 91.03,66.1 90.95,66.03
NetU28_2: length 2.4
  Top Layer w0.356: C400.1 5.1,38.13 7.23,38.13 7.33,38.03
NetU28_4: length 3.8
  Top Layer w0.356: U28.4 8.45,41.05 9.08,41.68 10.68,41.68
NetU28_6: length 1.4
  Top Layer w0.356: 6.35,39.68 6.33,39.65 5,39.65
NetU30_2: length 1.3
  Bottom Layer w0.152: 36.13,15 36.1,14.98 R1481.1
NetU30_3: length 4
  Bottom Layer w0.508: 37.43,17.25 R1483.1 41.43,17.25 41.45,17.28
NetU31_A16: length 3.5
  Top Layer w0.152: 53.38,31.02 55.32,31.02 55.75,31.45 56.65,31.45
NetU31_A19: length 3.9
  Top Layer w0.152: 53.38,28.63 55.4,26.6 56.4,26.6
NetU31_B12: length 5
  Top Layer w0.152: 56.95,35.65 56,35.65 55.88,35.53 54.7,35.53 53.8,34.63 52.98,34.63 52.57,34.22
NetU31_B13: length 7.4
  Top Layer w0.152: 59.23,34.48 58.73,34.48 58.18,33.93 55.2,33.93 54.27,33 52.99,33 52.57,33.42
NetU31_B14: length 7.3
  Top Layer w0.152: 59.15,33.48 58.73,33.48 58.5,33.25 55.35,33.25 54.33,32.23 52.97,32.23 52.57,32.62
NetU31_B18: length 4.9
  Top Layer w0.152: 56.7,28.3 56.1,28.9 55,28.9 54.08,29.83 52.98,29.83 52.57,29.42 52.57,29.42
NetU31_C12: length 7.6
  Top Layer w0.152: 52.16,33.83 54.45,33.83 54.86,34.24 56.72,34.24 56.92,34.45 ; 52.16,33.83 51.77,34.22 ; 52.16,33.83 54.08,33.83 ; 56.88,34.4 56.95,34.48
NetU31_C13: length 7.1
  Top Layer w0.152: 52.13,33.05 52.13,33.06 51.77,33.42
  Bottom Layer w0.152: 57.28,34.95 56.88,34.95 56.48,34.56 56.48,33.93 55.13,32.58 53.15,32.58 52.78,32.95 52.18,32.95
  vias: v1(52.18,33.03)
NetU31_C15: length 10.6
  Top Layer w0.152: v1(51.38,32.2) 51.39,32.2 51.77,31.82
  Bottom Layer w0.152: 54.14,32 55.78,32 56.76,32.97 56.76,34.18 57.03,34.45 58.44,34.45 58.94,34.95 R2434.2 ; 54.14,32 52.68,32 52.43,31.76 51.82,31.76 v1(51.38,32.2) 51.38,32.13
